# KiCad board nyx.kicad_pcb
title: Nyx; date: 2023-08-15; rev: 2; note: Copyright © 2023 HorrorTroll; note: GPL2 License
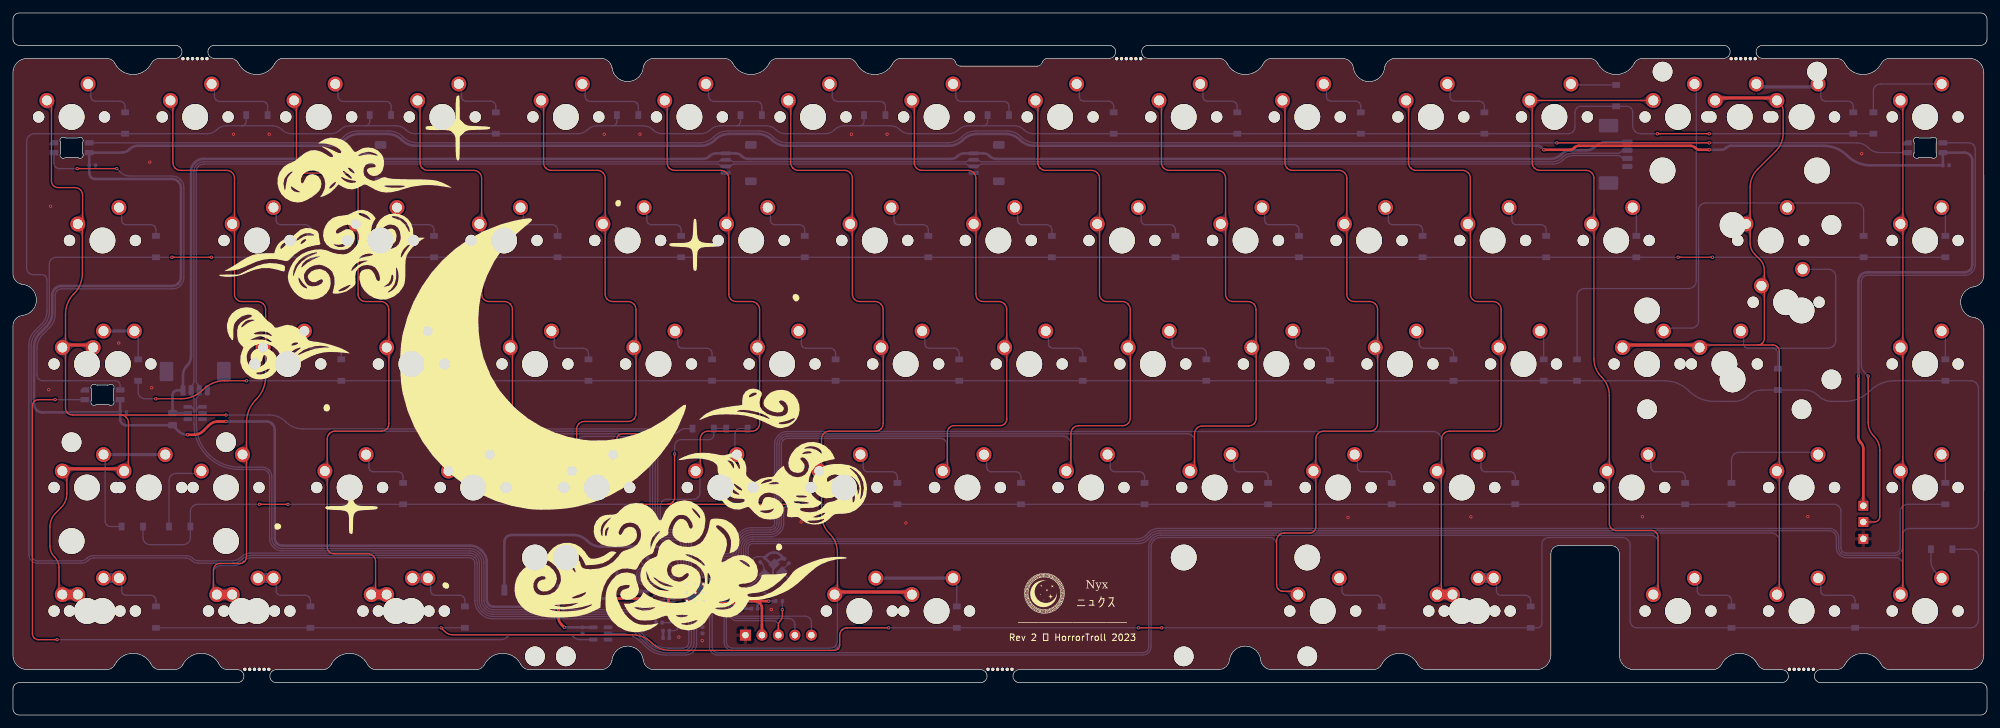
[diagram p0: board, top side]
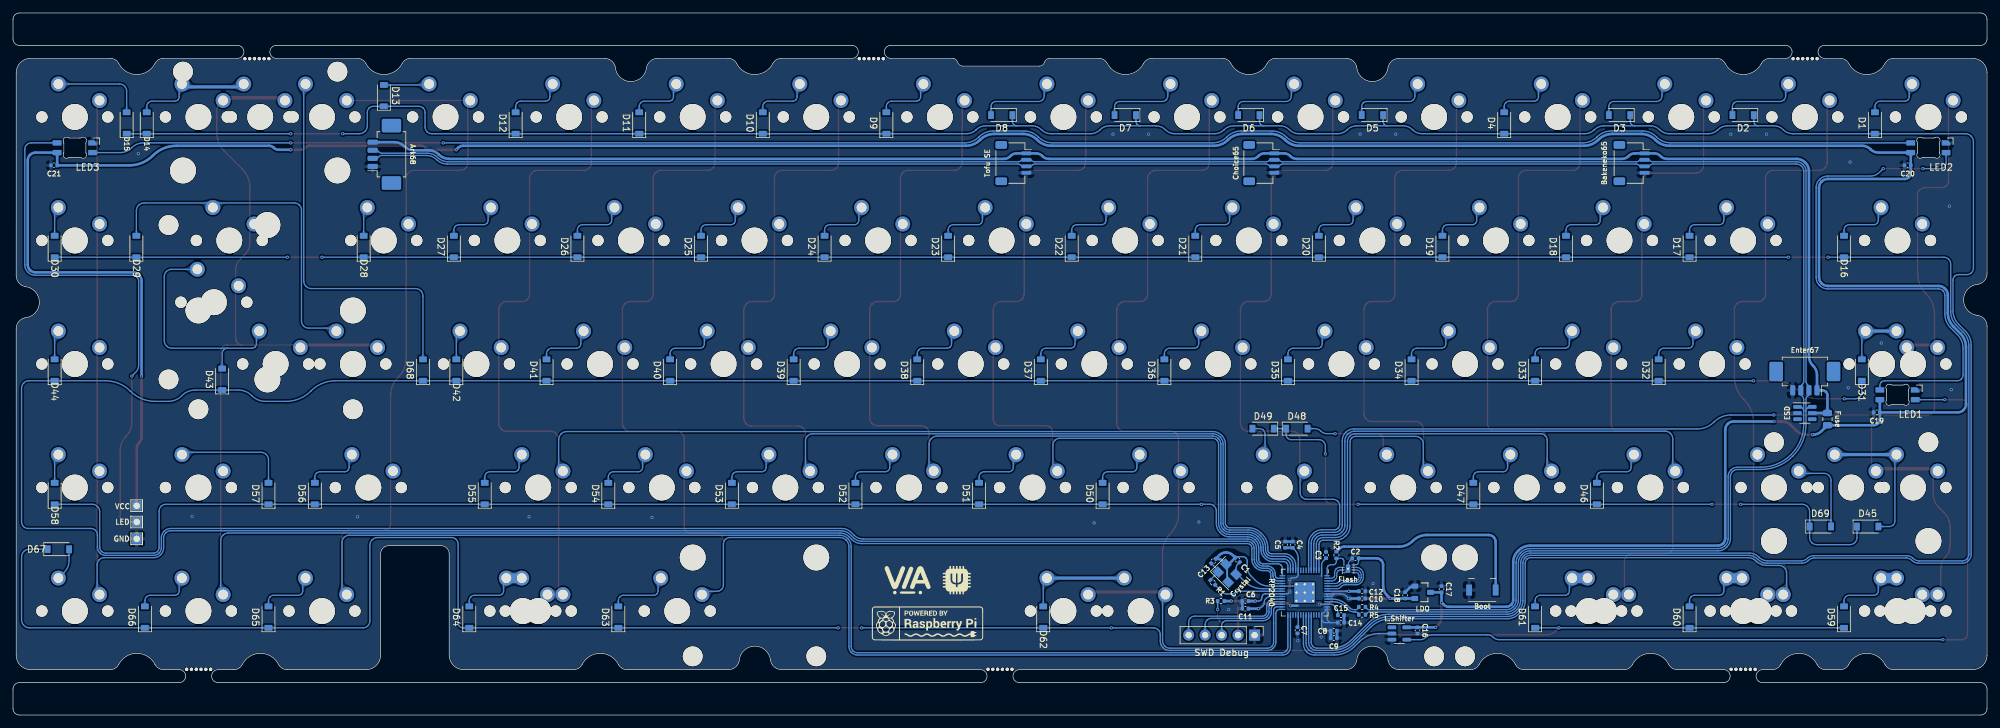
[diagram p1: board, bottom side, seen from below]

Outline 304.32 x 108.27 mm; copper layers: Top, Bottom. Coordinates in mm from the lower left corner of the outline.
Outline path: 34.6,5 1,5 arc(0.29,4.71) 0,4 0,1 arc(0.29,0.29) 1,0 303.32,0 arc(304.03,0.29) 304.32,1 304.32,4 arc(304.03,4.71) 303.32,5 278.7,5 ; 25.05,103.27 1,103.27 arc(0.29,103.57) 0,104.27 0,107.27 arc(0.29,107.98) 1,108.27 303.32,108.27 arc(304.03,107.98) 304.32,107.27 304.32,104.27 arc(304.03,103.57) 303.32,103.27 269.72,103.27 ; 25.05,101.27 22.65,101.27 arc(21.87,101.06) 21.32,100.47 arc(18.52,98.77) 15.73,100.47 arc(15.18,101.06) 14.4,101.27 2.22,101.27 arc(0.65,100.62) 0,99.05 0,68.09 arc(0.39,67.02) 1.36,66.45 arc(3.62,64.07) 1.44,61.62 arc(0.41,61.07) 0,59.98 0,9.22 arc(0.65,7.65) 2.22,7 14.4,7 arc(15.18,7.23) 15.73,7.83 arc(18.52,9.52) 21.32,7.83 arc(21.87,7.23) 22.65,7 24.88,7 arc(25.66,7.23) 26.21,7.83 arc(29,9.52) 31.79,7.83 arc(32.34,7.23) 33.12,7 34.6,7 ; 31.05,101.27 33.45,101.27 arc(34.23,101.06) 34.78,100.47 arc(37.57,98.77) 40.37,100.47 arc(40.92,101.06) 41.7,101.27 90.6,101.27 arc(91.72,100.88) 92.34,99.87 arc(94.8,97.68) 97.18,99.95 arc(97.78,100.9) 98.85,101.27 109.65,101.27 arc(110.43,101.06) 110.98,100.47 arc(113.77,98.77) 116.57,100.47 arc(117.12,101.06) 117.9,101.27 128.7,101.27 arc(129.48,101.06) 130.03,100.47 arc(132.83,98.77) 135.62,100.47 arc(136.17,101.06) 136.95,101.27 144.5,101.27 arc(145,101.11) 145.3,100.67 arc(145.6,100.24) 146.1,100.07 157.9,100.07 arc(158.4,100.24) 158.7,100.67 arc(159,101.11) 159.5,101.27 169,101.27 ; 40.6,7 47.74,7 arc(48.52,7.23) 49.07,7.83 arc(51.86,9.52) 54.66,7.83 arc(55.21,7.23) 55.99,7 71.38,7 arc(72.16,7.23) 72.71,7.83 arc(75.5,9.52) 78.29,7.83 arc(78.84,7.23) 79.62,7 90.6,7 arc(91.73,7.41) 92.34,8.44 arc(94.8,10.63) 97.18,8.36 arc(97.77,7.38) 98.85,7 149.16,7 ; 40.6,5 149.16,5 ; 155.16,7 185.8,7 arc(186.93,7.41) 187.54,8.44 arc(189.99,10.63) 192.38,8.36 arc(192.97,7.38) 194.05,7 209.66,7 arc(210.45,7.23) 211,7.83 arc(213.79,9.52) 216.58,7.83 arc(217.13,7.23) 217.91,7 234.82,7 arc(236.42,7.66) 237.07,9.25 237.07,24.87 arc(237.44,25.76) 238.32,26.12 246.4,26.12 arc(247.28,25.76) 247.65,24.87 247.65,9.25 arc(248.31,7.66) 249.9,7 262.05,7 arc(262.83,7.23) 263.38,7.83 arc(266.17,9.52) 268.97,7.83 arc(269.52,7.23) 270.3,7 272.7,7 ; 155.16,5 272.7,5 ; 169,103.27 31.05,103.27 ; 175,103.27 263.72,103.27 ; 175,101.27 185.85,101.27 arc(186.63,101.06) 187.18,100.47 arc(189.97,98.77) 192.77,100.47 arc(193.32,101.06) 194.1,101.27 204.9,101.27 arc(206.02,100.88) 206.64,99.87 arc(209.1,97.68) 211.48,99.95 arc(212.08,100.9) 213.15,101.27 243,101.27 arc(243.78,101.06) 244.33,100.47 arc(247.12,98.77) 249.92,100.47 arc(250.47,101.06) 251.25,101.27 263.72,101.27 ; 269.72,101.27 281.1,101.27 arc(281.88,101.06) 282.43,100.47 arc(285.23,98.77) 288.02,100.47 arc(288.57,101.06) 289.35,101.27 301.6,101.27 arc(303.17,100.62) 303.82,99.05 303.83,67.81 arc(303.43,66.69) 302.43,66.07 arc(300.25,63.62) 302.51,61.25 arc(303.46,60.64) 303.83,59.58 303.82,9.22 arc(303.17,7.65) 301.6,7 289.35,7 arc(288.57,7.23) 288.02,7.83 arc(285.23,9.52) 282.43,7.83 arc(281.88,7.23) 281.1,7 278.7,7
Stack: Top 0.035mm / dielectric 1.51mm FR4 er 4.5 / Bottom 0.035mm

## Placement (name value [footprint] x y rotation side)
C1  22p  [C_0402_1005Metric]  115.55 23.92 45 bottom
C2  100n  [C_0402_1005Metric]  97.37 24.17 0 bottom
C3  10u  [C_0402_1005Metric]  101.9 24.67 90 bottom
C4  100n  [C_0402_1005Metric]  107.03 26.27 90 bottom
C5  100n  [C_0402_1005Metric]  108.2 26.27 90 bottom
C6  100n  [C_0402_1005Metric]  114.33 17.57 0 bottom
C7  100n  [C_0402_1005Metric]  106.3 13.07 270 bottom
C8  100n  [C_0402_1005Metric]  100.7 13 180 bottom
C9  100n  [C_0402_1005Metric]  100.7 11.87 180 bottom
C10  100n  [C_0402_1005Metric]  96.33 17.97 180 bottom
C11  100n  [C_0402_1005Metric]  114.33 16.4 0 bottom
C12  100n  [C_0402_1005Metric]  96.33 19.08 180 bottom
C13  22p  [C_0402_1005Metric]  119.27 23.74 135 bottom
C14  1u  [C_0402_1005Metric]  99.6 14.25 180 bottom
C15  1u  [C_0402_1005Metric]  99.6 15.4 180 bottom
C16  100n  [C_0402_1005Metric]  87.8 13.04 270 bottom
C17  1u  [C_0402_1005Metric]  84.1 19.4 90 bottom
C18  1u  [C_0402_1005Metric]  89.7 18.45 90 bottom
C19  100n  [C_0402_1005Metric]  17.01 46.67 0 bottom
C20  100n  [C_0402_1005Metric]  12.24 84.77 0 bottom
C21  100n  [C_0402_1005Metric]  297.99 84.77 0 bottom
D1  1N4148W  [D_SOD-123]  17.28 91.3 90 bottom
D2  1N4148W  [D_SOD-123]  37.6 92.52 0 bottom
D3  1N4148W  [D_SOD-123]  56.65 92.52 0 bottom
D4  1N4148W  [D_SOD-123]  74.43 91.3 90 bottom
D5  1N4148W  [D_SOD-123]  94.75 92.52 0 bottom
D6  1N4148W  [D_SOD-123]  113.8 92.52 0 bottom
D7  1N4148W  [D_SOD-123]  132.85 92.52 0 bottom
D8  1N4148W  [D_SOD-123]  151.9 92.52 0 bottom
D9  1N4148W  [D_SOD-123]  169.68 91.3 90 bottom
D10  1N4148W  [D_SOD-123]  188.73 91.3 90 bottom
D11  1N4148W  [D_SOD-123]  207.78 91.3 90 bottom
D12  1N4148W  [D_SOD-123]  226.83 91.3 90 bottom
D13  1N4148W  [D_SOD-123]  247.15 95.52 90 bottom
D14  1N4148W  [D_SOD-123]  283.7 91.3 90 bottom
D15  1N4148W  [D_SOD-123]  286.8 91.3 90 bottom
D16  1N4148W  [D_SOD-123]  22.04 72.25 90 bottom
D17  1N4148W  [D_SOD-123]  45.86 72.25 90 bottom
D18  1N4148W  [D_SOD-123]  64.91 72.25 90 bottom
D19  1N4148W  [D_SOD-123]  83.96 72.25 90 bottom
D20  1N4148W  [D_SOD-123]  103.01 72.25 90 bottom
D21  1N4148W  [D_SOD-123]  122.06 72.25 90 bottom
D22  1N4148W  [D_SOD-123]  141.11 72.25 90 bottom
D23  1N4148W  [D_SOD-123]  160.16 72.25 90 bottom
D24  1N4148W  [D_SOD-123]  179.21 72.25 90 bottom
D25  1N4148W  [D_SOD-123]  198.26 72.25 90 bottom
D26  1N4148W  [D_SOD-123]  217.31 72.25 90 bottom
D27  1N4148W  [D_SOD-123]  236.36 72.25 90 bottom
D28  1N4148W  [D_SOD-123]  250.26 72.25 90 bottom
D29  1N4148W  [D_SOD-123]  285.3 72.25 90 bottom
D30  1N4148W  [D_SOD-123]  297.9 72.25 90 bottom
D31  1N4148W  [D_SOD-123]  19.3 53.2 90 bottom
D32  1N4148W  [D_SOD-123]  50.62 53.2 90 bottom
D33  1N4148W  [D_SOD-123]  69.67 53.2 90 bottom
D34  1N4148W  [D_SOD-123]  88.72 53.2 90 bottom
D35  1N4148W  [D_SOD-123]  107.77 53.2 90 bottom
D36  1N4148W  [D_SOD-123]  126.82 53.2 90 bottom
D37  1N4148W  [D_SOD-123]  145.87 53.2 90 bottom
D38  1N4148W  [D_SOD-123]  164.92 53.2 90 bottom
D39  1N4148W  [D_SOD-123]  183.97 53.2 90 bottom
D40  1N4148W  [D_SOD-123]  203.02 53.2 90 bottom
D41  1N4148W  [D_SOD-123]  222.07 53.2 90 bottom
D42  1N4148W  [D_SOD-123]  235.98 53.2 90 bottom
D43  1N4148W  [D_SOD-123]  272.08 51.77 90 bottom
D44  1N4148W  [D_SOD-123]  297.9 53.2 90 bottom
D45  1N4148W  [D_SOD-123]  18.4 29.07 180 bottom
D46  1N4148W  [D_SOD-123]  60.14 34.15 90 bottom
D47  1N4148W  [D_SOD-123]  79.19 34.15 90 bottom
D48  1N4148W  [D_SOD-123]  106.4 44.17 180 bottom
D49  1N4148W  [D_SOD-123]  111.6 44.17 0 bottom
D50  1N4148W  [D_SOD-123]  136.34 34.15 90 bottom
D51  1N4148W  [D_SOD-123]  155.39 34.15 90 bottom
D52  1N4148W  [D_SOD-123]  174.44 34.15 90 bottom
D53  1N4148W  [D_SOD-123]  193.49 34.15 90 bottom
D54  1N4148W  [D_SOD-123]  212.54 34.15 90 bottom
D55  1N4148W  [D_SOD-123]  231.59 34.15 90 bottom
D56  1N4148W  [D_SOD-123]  257.79 34.15 90 bottom
D57  1N4148W  [D_SOD-123]  264.93 34.15 90 bottom
D58  1N4148W  [D_SOD-123]  297.9 34.15 90 bottom
D59  1N4148W  [D_SOD-123]  22.04 15.1 90 bottom
D60  1N4148W  [D_SOD-123]  45.86 15.1 90 bottom
D61  1N4148W  [D_SOD-123]  69.67 15.1 90 bottom
D62  1N4148W  [D_SOD-123]  145.5 15.1 90 bottom
D63  1N4148W  [D_SOD-123]  211 15.1 90 bottom
D64  1N4148W  [D_SOD-123]  233.98 15.1 90 bottom
D65  1N4148W  [D_SOD-123]  264.93 15.1 90 bottom
D66  1N4148W  [D_SOD-123]  283.98 15.1 90 bottom
D67  1N4148W  [D_SOD-123]  297.33 25.57 180 bottom
D68  1N4148W  [D_SOD-123]  241.12 53.2 90 bottom
D69  1N4148W  [D_SOD-123]  25.7 29.07 180 bottom
ESD1  SRV05-4  [SOT-23-6]  28.09 46.57 180 bottom
F1  500mA  [Fuse_0805_2012Metric]  24.6 45.63 270 bottom
G***  LOGO  [Nyx_silkscreen]  81.5 54.27 0 top
G***#2  LOGO  [Nyx_logo_silkscreen]  159 18.77 0 top
G***#3  LOGO  [Raspberry-Pi-logo-small_silk]  163.33 14.14 180 bottom
G***#4  LOGO  [QMK-VIA-logo-small_silk]  163.33 20.8 180 bottom
J1  USB DTB  [Molex_PicoBlade_53261-0471_1x04-1MP_P1.25mm_Horizontal]  28.08 52.48 0 bottom
J2  SWD Debug  [PinHeader_1x05_P2.54mm_Vertical]  112.92 12.32 270 bottom
J3  USB DTB 2  [JST_SH_SM04B-SRSS-TB_1x04-1MP_P1.00mm_Horizontal]  54.8 85.12 270 bottom
J4  USB DTB 3  [Molex_PicoBlade_53261-0471_1x04-1MP_P1.25mm_Horizontal]  246.48 86.47 90 bottom
J5  USB DTB 4  [JST_SH_SM04B-SRSS-TB_1x04-1MP_P1.00mm_Horizontal]  111.88 85.12 270 bottom
J6  USB DTB 5  [JST_SH_SM04B-SRSS-TB_1x04-1MP_P1.00mm_Horizontal]  150.1 85.12 270 bottom
J7  LED_Conn_01x03  [LED_Connector]  285.25 32.27 180 bottom
LED1  SK6812MINI-E  [LED_6028R]  13.8 49.39 0 bottom
LED2  SK6812MINI-E  [LED_6028R]  9.03 87.49 0 bottom
LED3  SK6812MINI-E  [LED_6028R]  294.78 87.49 0 bottom
M1  Mousebite Top  [mousebites_2mm_big_width]  28.05 101.27 270 top
M2  Mousebite Top  [mousebites_2mm_big_width]  172 101.27 270 top
M3  Mousebite Top  [mousebites_2mm_big_width]  266.72 101.27 270 top
M4  Mousebite Bottom  [mousebites_2mm_big_width]  37.6 7 90 top
M5  Mousebite Bottom  [mousebites_2mm_big_width]  152.16 7 90 top
M6  Mousebite Bottom  [mousebites_2mm_big_width]  275.7 7 90 top
MX1  1u  [SW_MX_1u_holes_only]  9.03 92.24 0 top
MX2  1u  [SW_MX_1u_holes_only]  28.08 92.24 0 top
MX3  1u  [SW_MX_1u_holes_only]  47.13 92.24 0 top
MX4  1u  [SW_MX_1u_holes_only]  66.18 92.24 0 top
MX5  1u  [SW_MX_1u_holes_only]  85.23 92.24 0 top
MX6  1u  [SW_MX_1u_holes_only]  104.28 92.24 0 top
MX7  1u  [SW_MX_1u_holes_only]  123.33 92.24 0 top
MX8  1u  [SW_MX_1u_holes_only]  142.38 92.24 0 top
MX9  1u  [SW_MX_1u_holes_only]  161.43 92.24 0 top
MX10  1u  [SW_MX_1u_holes_only]  180.48 92.24 0 top
MX11  1u  [SW_MX_1u_holes_only]  199.53 92.24 0 top
MX12  1u  [SW_MX_1u_holes_only]  218.58 92.24 0 top
MX13  1u  [SW_MX_1u_holes_only]  237.63 92.24 0 top
MX14  2u  [SW_MX_1u_holes_only]  266.21 92.24 0 top
MX15  1u  [SW_MX_1u_holes_only]  294.78 92.24 0 top
MX16  1.5u  [SW_MX_1.5u_holes_only]  13.8 73.19 0 top
MX17  1u  [SW_MX_1u_holes_only]  37.61 73.19 0 top
MX18  1u  [SW_MX_1u_holes_only]  56.66 73.19 0 top
MX19  1u  [SW_MX_1u_holes_only]  75.71 73.19 0 top
MX20  1u  [SW_MX_1u_holes_only]  94.76 73.19 0 top
MX21  1u  [SW_MX_1u_holes_only]  113.81 73.19 0 top
MX22  1u  [SW_MX_1u_holes_only]  132.86 73.19 0 top
MX23  1u  [SW_MX_1u_holes_only]  151.91 73.19 0 top
MX24  1u  [SW_MX_1u_holes_only]  170.96 73.19 0 top
MX25  1u  [SW_MX_1u_holes_only]  190.01 73.19 0 top
MX26  1u  [SW_MX_1u_holes_only]  209.06 73.19 0 top
MX27  1u  [SW_MX_1u_holes_only]  228.11 73.19 0 top
MX28  1u  [SW_MX_1u_holes_only]  247.16 73.19 0 top
MX29  1.5u  [SW_MX_1.5u_holes_only]  270.97 73.19 0 top
MX30  1u  [SW_MX_1u_holes_only]  294.78 73.19 0 top
MX31  1.75u  [SW_MX_1.75u_holes_only]  16.18 54.14 0 top
MX32  1u  [SW_MX_1u_holes_only]  42.37 54.14 0 top
MX33  1u  [SW_MX_1u_holes_only]  61.42 54.14 0 top
MX34  1u  [SW_MX_1u_holes_only]  80.47 54.14 0 top
MX35  1u  [SW_MX_1u_holes_only]  99.52 54.14 0 top
MX36  1u  [SW_MX_1u_holes_only]  118.57 54.14 0 top
MX37  1u  [SW_MX_1u_holes_only]  137.62 54.14 0 top
MX38  1u  [SW_MX_1u_holes_only]  156.67 54.14 0 top
MX39  1u  [SW_MX_1u_holes_only]  175.72 54.14 0 top
MX40  1u  [SW_MX_1u_holes_only]  194.77 54.14 0 top
MX41  1u  [SW_MX_1u_holes_only]  213.82 54.14 0 top
MX42  1u  [SW_MX_1u_holes_only]  232.87 54.14 0 top
MX43  2.25u  [SW_MX_1u_holes_only]  263.83 54.14 0 top
MX44  1u  [SW_MX_1u_holes_only]  294.78 54.14 0 top
MX45  2.25u  [SW_MX_1u_holes_only]  20.94 35.09 0 top
MX46  1u  [SW_MX_1u_holes_only]  51.9 35.09 0 top
MX47  1u  [SW_MX_1u_holes_only]  70.95 35.09 0 top
MX48  1u  [SW_MX_1u_holes_only]  90 35.09 0 top
MX49  1u  [SW_MX_1u_holes_only]  109.05 35.09 0 top
MX50  1u  [SW_MX_1u_holes_only]  128.1 35.09 0 top
MX51  1u  [SW_MX_1u_holes_only]  147.15 35.09 0 top
MX52  1u  [SW_MX_1u_holes_only]  166.2 35.09 0 top
MX53  1u  [SW_MX_1u_holes_only]  185.25 35.09 0 top
MX54  1u  [SW_MX_1u_holes_only]  204.3 35.09 0 top
MX55  1u  [SW_MX_1u_holes_only]  223.35 35.09 0 top
MX56  1.75u  [SW_MX_1.75u_holes_only]  249.54 35.09 0 top
MX57  1u  [SW_MX_1u_holes_only]  275.73 35.09 0 top
MX58  1u  [SW_MX_1u_holes_only]  294.78 35.09 0 top
MX59  1.25u  [SW_MX_1.25u_holes_only]  11.42 16.04 0 top
MX60  1.25u  [SW_MX_1.25u_holes_only]  35.23 16.04 0 top
MX61  1.25u  [SW_MX_1.25u_holes_only]  59.04 16.04 0 top
MX62  6.25u  [SW_MX_1u_holes_only]  130.48 16.04 0 top
MX63  1.25u  [SW_MX_1.25u_holes_only]  201.92 16.04 0 top
MX64  1.25u  [SW_MX_1.25u_holes_only]  225.73 16.04 0 top
MX65  1u  [SW_MX_1u_holes_only]  256.68 16.04 0 top
MX66  1u  [SW_MX_1u_holes_only]  275.73 16.04 0 top
MX67  1u  [SW_MX_1u_holes_only]  294.78 16.04 0 top
MX68  1u  [SW_MX_1u_holes_only]  275.73 92.24 0 top
MX69  1u  [SW_MX_1u_holes_only]  251.92 54.14 0 top
MX70  1u  [SW_MX_1u_holes_only]  256.68 92.24 0 top
MX71  ISO  [SW_MX_1u_holes_only]  273.35 63.66 0 top
MX72  1u  [SW_MX_1u_holes_only]  32.85 35.09 0 top
MX73  1.5u  [SW_MX_1.5u_holes_only]  13.8 16.04 0 top
MX74  1u  [SW_MX_1u_holes_only]  37.61 16.04 0 top
MX75  1.5u  [SW_MX_1.5u_holes_only]  61.42 16.04 0 top
MX76  7u  [SW_MX_1u_holes_only]  142.38 16.04 0 top
MX77  1.5u  [SW_MX_1.5u_holes_only]  223.35 16.04 0 top
MX78  Step  [SW_MX_1.75u_stp_holes_only]  11.42 54.14 0 top
MX79  1.25u  [SW_MX_1.25u_holes_only]  11.42 35.09 0 top
R1  1k  [R_0402_1005Metric]  119.37 20.45 45 bottom
R2  1k  [R_0402_1005Metric]  100.3 24.67 270 bottom
R3  10k  [R_0402_1005Metric]  118.1 17.57 0 bottom
R4  27R  [R_0402_1005Metric]  96.33 16.67 180 bottom
R5  27R  [R_0402_1005Metric]  96.33 15.47 180 bottom
RG1  -  [XC6206P332MR]  87 18.92 180 bottom
S1  2u  [STAB_MX_2u]  266.21 92.24 0 top
S2  2.25u  [STAB_MX_2.25u]  263.83 54.14 180 top
S3  2.25u  [STAB_MX_2.25u]  20.94 35.09 0 top
S4  6.25u  [STAB_MX_6.25u]  130.48 16.04 180 top
S5  ISO  [STAB_MX_ISO_FLIPPED]  273.35 63.66 0 top
S6  7u  [STAB_MX_7u]  142.38 16.04 180 top
SW1  BOOT  [SW_SPST_Little_Turtle_2P]  77.8 19.27 180 bottom
U1  ZD25Q80BNIGR  [USON-8_1.5x1.5mm_P0.45mm]  98.5 22.57 180 bottom
U2  74LVC1G17  [SOT-23-5]  90.6 12.57 180 bottom
U3  RP2040  [RP2040-QFN-56]  105.18 18.88 270 bottom
Y1  12Mhz  [Crystal_SMD_3225-4Pin_3.2x2.5mm]  117.15 21.87 225 bottom

## Library data of the parts
C1 C13 = -: Description: Unpolarized capacitor; LCSC Part Number: C1555
C2 C4-C12 C16 C19-C21 = -: Description: Unpolarized capacitor; LCSC Part Number: C307331
C3 = -: Description: Unpolarized capacitor; LCSC Part Number: C15525
C14 C15 C17 C18 = -: Description: Unpolarized capacitor; LCSC Part Number: C52923
D1-D69 = -: Description: Diode; LCSC Part Number: C81598
ESD1 = -: Description: ESD Protection Diodes with Low Clamping Voltage, SOT-23-6; LCSC Part Number: C85364
F1 = -: Description: Resettable fuse, polymeric positive temperature coefficient; LCSC Part Number: C269104
J1 J4 = -: Description: Generic connector, single row, 01x04, script generated (kicad-library-utils/schlib/autogen/connector/); LCSC Part Number: C240847
J2 = -: Description: Generic connector, single row, 01x05, script generated (kicad-library-utils/schlib/autogen/connector/)
J3 J5 J6 = -: Description: Generic connector, single row, 01x04, script generated (kicad-library-utils/schlib/autogen/connector/); LCSC Part Number: C160404
LED1-LED3 = -: Description: Reverse mount adressable LED (WS2812 protocol); LCSC Part Number: C524051; Field5: 1
M1-M6 = -: Description: Mounting Hole without connection
MX1-MX79 = -: Description: Push button switch, normally open, two pins, 45° tilted
R1 R2 = -: Description: Resistor; LCSC Part Number: C11702
R3 = -: Description: Resistor; LCSC Part Number: C25744
R4 R5 = -: Description: Resistor; LCSC Part Number: C25100
RG1 = -: LCSC Part Number: C5446
S1-S6 = -: Description: Cherry MX-style stabilizer
SW1 = -: LCSC Part Number: C720477
U1 = -: Description: 8Mb Serial Flash Memory, Standard/Dual/Quad SPI, USON-8; LCSC Part Number: C3035284
U2 = -: Description: Single Schmitt Buffer Gate, Low-Voltage CMOS; LCSC: C7484; LCSC Part Number: C6076
U3 = -: LCSC Part Number: C2040
Y1 = -: Description: Four pin crystal, GND on pins 2 and 4; LCSC Part Number: C9002

## Footprints (pads in the part's own frame, mm; a bottom-side part is the same pattern mirrored in y, then rotated)
C_0402_1005Metric
  rrect 0.56x0.62 smd: 1(-0.48,0) 2(0.48,0)
Crystal_SMD_3225-4Pin_3.2x2.5mm
  rect 1.4x1.2 smd: 1(-1.1,-0.85) 2(1.1,-0.85) 3(1.1,0.85) 4(-1.1,0.85)
D_SOD-123
  rect 0.9x1.2 smd: 1(-1.65,0) 2(1.65,0)
Fuse_0805_2012Metric
  rrect 0.975x1.4 smd: 1(-0.938,0) 2(0.938,0)
JST_SH_SM04B-SRSS-TB_1x04-1MP_P1.00mm_Horizontal
  rrect 0.6x1.55 smd: 1(-1.5,2) 2(-0.5,2) 3(0.5,2) 4(1.5,2)
  rrect 1.2x1.8 smd: MP(-2.8,-1.875) MP(2.8,-1.875)
LED_6028R
  rrect 1.35x0.82 smd: 1(2.725,0.75) 2(2.725,-0.75) 3(-2.725,0.75) 4(-2.725,-0.75)
LED_Connector
  rect 1.524x1.524 hole 1: 1(0,0) 2(0,-2.5) 3(0,-5.1)
Molex_PicoBlade_53261-0471_1x04-1MP_P1.25mm_Horizontal
  rrect 0.8x1.6 smd: 1(-1.875,2.4) 2(-0.625,2.4) 3(0.625,2.4) 4(1.875,2.4)
  rrect 2.1x3 smd: MP(-4.425,-0.5) MP(4.425,-0.5)
mousebites_2mm_big_width
  round 0.5 hole 0.5 unplated: (0.05,1.85) (0.05,1.11) (0.05,0.37) (0.05,-0.37) (0.05,-1.11) (0.05,-1.85)
PinHeader_1x05_P2.54mm_Vertical
  rect 1.7x1.7 hole 1: 1(0,0)
  oval 1.7x1.7 hole 1: 2(0,-2.54) 3(0,-5.08) 4(0,-7.62) 5(0,-10.16)
R_0402_1005Metric
  rrect 0.54x0.64 smd: 1(-0.51,0) 2(0.51,0)
RP2040-QFN-56
  rrect 1.084x1.084 smd: (-0.637,-0.637) (-0.637,0.637) (0.637,-0.637) (0.637,0.637)
  rrect 0.875x0.2 smd: 1(-3.438,2.6) 2(-3.438,2.2) 3(-3.438,1.8) 4(-3.438,1.4) 5(-3.438,1) 6(-3.438,0.6) 7(-3.438,0.2) 8(-3.438,-0.2) 9(-3.438,-0.6) 10(-3.438,-1) 11(-3.438,-1.4) 12(-3.438,-1.8) 13(-3.438,-2.2) 14(-3.438,-2.6) 29(3.438,-2.6) 30(3.438,-2.2) 31(3.438,-1.8) 32(3.438,-1.4) 33(3.438,-1) 34(3.438,-0.6) 35(3.438,-0.2) 36(3.438,0.2) 37(3.438,0.6) 38(3.438,1) 39(3.438,1.4) 40(3.438,1.8) 41(3.438,2.2) 42(3.438,2.6)
  rrect 0.2x0.875 smd: 15(-2.6,-3.438) 16(-2.2,-3.438) 17(-1.8,-3.438) 18(-1.4,-3.438) 19(-1,-3.438) 20(-0.6,-3.438) 21(-0.2,-3.438) 22(0.2,-3.438) 23(0.6,-3.438) 24(1,-3.438) 25(1.4,-3.438) 26(1.8,-3.438) 27(2.2,-3.438) 28(2.6,-3.438) 43(2.6,3.438) 44(2.2,3.438) 45(1.8,3.438) 46(1.4,3.438) 47(1,3.438) 48(0.6,3.438) 49(0.2,3.438) 50(-0.2,3.438) 51(-0.6,3.438) 52(-1,3.438) 53(-1.4,3.438) 54(-1.8,3.438) 55(-2.2,3.438) 56(-2.6,3.438)
  round 0.6 hole 0.35: 57(-1.275,-1.275) 57(-1.275,0) 57(-1.275,1.275) 57(0,-1.275) 57(0,0) 57(0,1.275) 57(1.275,-1.275) 57(1.275,0) 57(1.275,1.275)
  rrect 3.2x3.2 smd: 57(0,0)
SOT-23-5
  rrect 1.325x0.6 smd: 1(-1.137,0.95) 2(-1.137,0) 3(-1.137,-0.95) 4(1.137,-0.95) 5(1.137,0.95)
SOT-23-6
  rrect 1.325x0.6 smd: 1(-1.137,0.95) 2(-1.137,0) 3(-1.137,-0.95) 4(1.137,-0.95) 5(1.137,0) 6(1.137,0.95)
STAB_MX_2.25u
  round 3.048 hole 3.048 unplated: (-11.906,6.985) (11.906,6.985)
  round 3.988 hole 3.988 unplated: (-11.906,-8.255) (11.906,-8.255)
STAB_MX_2u
  round 3.048 hole 3.048 unplated: (-11.906,6.985) (11.906,6.985)
  round 3.988 hole 3.988 unplated: (-11.906,-8.255) (11.906,-8.255)
STAB_MX_6.25u
  round 3.048 hole 3.048 unplated: (-50.006,6.985) (50.006,6.985)
  round 3.988 hole 3.988 unplated: (-50.006,-8.255) (50.006,-8.255)
STAB_MX_7u
  round 3.048 hole 3.048 unplated: (-57.15,6.985) (57.15,6.985)
  round 3.988 hole 3.988 unplated: (-57.15,-8.255) (57.15,-8.255)
STAB_MX_ISO_FLIPPED
  round 3.988 hole 3.988 unplated: (-8.255,11.906) (-8.255,-11.906)
  round 3.048 hole 3.048 unplated: (6.985,11.906) (6.985,-11.906)
SW_MX_1.5u_holes_only
  round 1.75 hole 1.75 unplated: (-5.08,0) (5.08,0)
  round 3.988 hole 3.988 unplated: (0,0)
  round 2.3 hole 1.524: 1(-3.81,2.54) 2(2.54,5.08)
SW_MX_1.25u_holes_only
  round 1.75 hole 1.75 unplated: (-5.08,0) (5.08,0)
  round 3.988 hole 3.988 unplated: (0,0)
  round 2.3 hole 1.524: 1(-3.81,2.54) 2(2.54,5.08)
SW_MX_1.75u_holes_only
  round 1.75 hole 1.75 unplated: (-5.08,0) (5.08,0)
  round 3.988 hole 3.988 unplated: (0,0)
  round 2.3 hole 1.524: 1(-3.81,2.54) 2(2.54,5.08)
SW_MX_1.75u_stp_holes_only
  round 1.75 hole 1.75 unplated: (-5.08,0) (5.08,0)
  round 3.988 hole 3.988 unplated: (0,0)
  round 2.3 hole 1.524: 1(-3.81,2.54) 2(2.54,5.08)
SW_MX_1u_holes_only
  round 1.75 hole 1.75 unplated: (-5.08,0) (5.08,0)
  round 3.988 hole 3.988 unplated: (0,0)
  round 2.3 hole 1.524: 1(-3.81,2.54) 2(2.54,5.08)
SW_SPST_Little_Turtle_2P
  rect 0.9x1.7 smd: 1(-2.05,0) 2(2.05,0)
USON-8_1.5x1.5mm_P0.45mm
  rrect 0.2x0.18 smd: 1(-0.65,0.6) 2(-0.65,0.2) 3(-0.65,-0.2) 4(-0.65,-0.6) 5(0.65,-0.6) 6(0.65,-0.2) 7(0.65,0.2) 8(0.65,0.6)
  round 0.5 hole 0.3: 9(0,0)
  rrect 0.7x1.3 smd: 9(0,0)
XC6206P332MR
  rect 1x0.8 smd: 1(-1.2,0.95) 2(-1.2,-0.95) 3(1.2,0)
